# KiCad board s100_ColorMagic-1.0-001.kicad_pcb (continued)
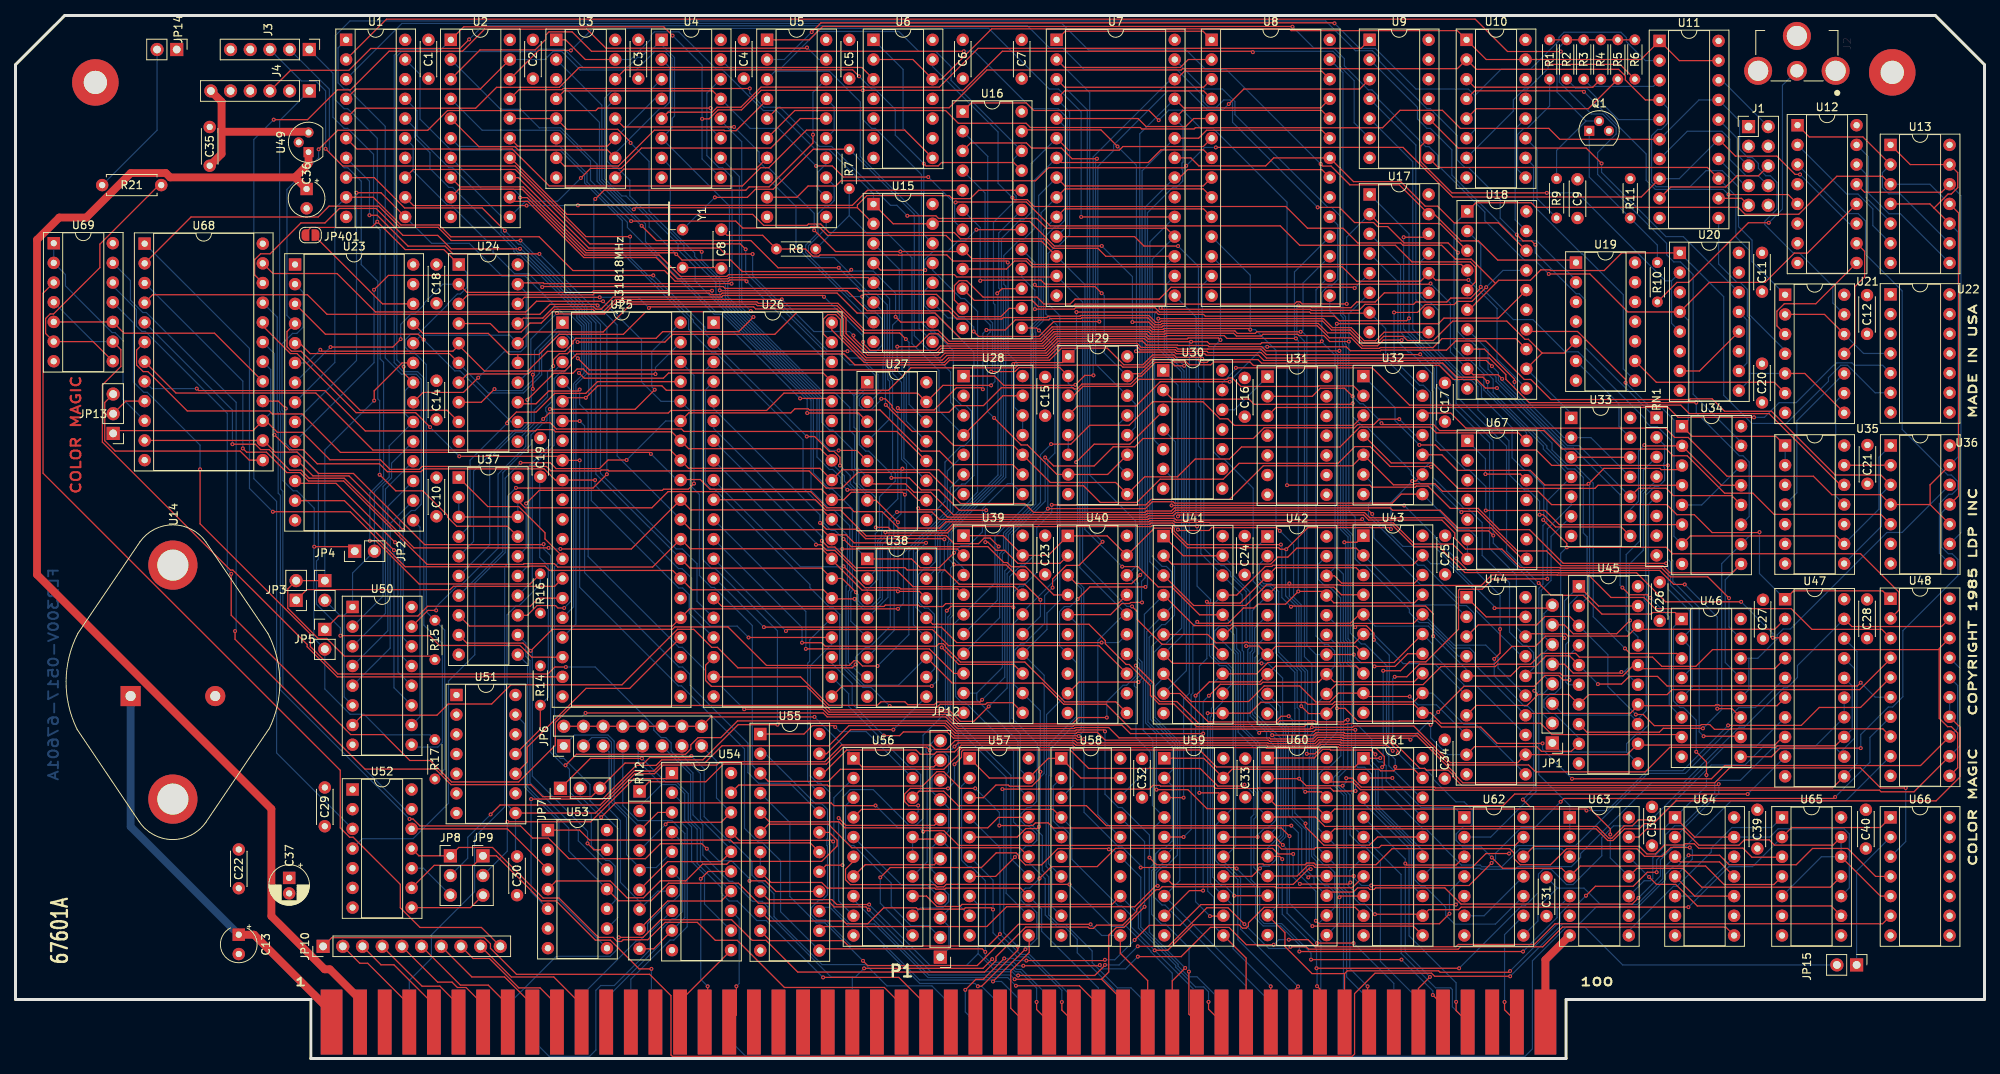
[diagram p0: board, top side]
## Routing (per net, layer and track width the routed paths; a pad name or vN(x,y) marks a point on that pad's centre or on a via; arc(x,y) is an arc through that point) (continued)
MA10: length 119.1
  Component w0.152: U8.21 168.51,114.73 151.2,114.73 150.17,113.7 U7.21 ; U40.5 141.26,57.29 142.69,58.72 143.72,58.72 143.86,58.86 v1(145.32,58.86)
  Copper w0.152: U7.21 145.72,109.88 145.72,62.05 145.26,61.59 145.26,58.92 v1(145.32,58.86) ; U40.5 137.2,55.85 137.2,43.67 133.65,40.12 133.65,36.45 133.56,36.36 133.56,29.92 U58.5
MA11: length 119.8
  Component w0.152: U40.3 136.83,61.3 143.98,61.3 v1(145.09,62.41) ; U8.23 168.51,119.81 153.66,119.81 152.63,118.78 U7.23
  Copper w0.152: U7.23 145.33,114.57 145.33,62.65 v1(145.09,62.41) ; U40.3 137.5,60.62 137.5,42.65 136.41,41.56 136.41,35.17 U58.3
MA12: length 124.2
  Component w0.152: U7.2 135.33,127.91 150.26,127.91 151.29,128.94 U8.2
  Copper w0.152: U58.18 142.52,33.82 146.4,37.7 146.4,39.52 144.53,41.39 144.53,47.89 144.34,48.09 144.34,48.74 145.02,49.42 145.02,50.96 144.52,51.46 144.52,61.23 U40.18 144.48,63.48 144.48,69.4 138.57,75.32 138.57,124.67 U7.2
MA13: length 145.6
  Component w0.152: v1(139.05,88.17) 137.94,88.17 v1(136.72,86.96) 136.65,86.88 127.48,86.88 126.29,88.08 U28.1 ; U8.26 168.51,127.43 150.8,127.43 149.77,126.4 U7.26
  Copper w0.152: U7.26 149.05,126.4 139.01,116.36 139.01,88.21 v1(139.05,88.17) ; v1(136.72,86.96) 137.3,86.38 137.3,63.36 U40.16 142.98,57.29 139.62,53.94 139.62,31.48 U58.16
MDO0: length 205.2
  Component w0.152: U59.18 155.2,34.29 v1(152.72,34.29) ; v1(159.29,94.07) 159.15,94.22 148.12,94.22 148,94.1 146.72,94.1 146.38,94.43 133.73,94.43 132.19,92.89 121.95,92.89 118.63,96.21 108.56,96.21 105.98,98.79 91.16,98.79 90.96,98.59 89.68,98.59 89.48,98.79 74.68,98.79 74.47,98.58 58.36,98.58 U24.3 ; U43.3 172.93,63.35 162.56,63.35 U42.3 157.99,58.78 153.86,58.78 v1(153.68,58.95)
  Copper w0.152: U42.3 162.61,63.4 162.61,91.4 159.94,94.07 v1(159.29,94.07) 159.29,101.09 U8.11 ; v1(153.68,58.95) 153.68,51.62 152.72,50.65 v1(152.72,34.29)
MDO1: length 204.9
  Component w0.152: v1(108.09,93.32) 108.09,93.05 110.05,91.09 118.87,91.09 119.43,91.66 132.68,91.66 134.23,93.21 145.77,93.21 146.11,92.88 151.16,92.88 151.28,93 155.18,93 v1(155.44,92.74) ; U42.4 162.57,60.83 170.07,60.83 171.04,59.86 U43.4 ; U24.4 61.25,94.86 62.33,93.77 65.22,93.77 66.37,94.92 67.81,94.92 69.57,96.69 74.48,96.69 74.76,96.4 75.83,96.4 77.41,97.98 v1(98.85,97.98) ; U59.16 v1(160.23,28.59)
  Copper w0.152: U8.12 155.44,102.4 v1(155.44,92.74) 154.56,91.86 154.56,78.3 155.48,77.37 155.89,77.37 159.66,73.61 159.66,61.6 U42.4 159.54,57.8 159.54,52.65 159.27,52.38 159.27,44.21 161.39,42.09 161.39,41.36 162.56,40.19 162.56,30.75 161.59,29.78 161.16,29.78 160.23,28.86 v1(160.23,28.59) ; v1(98.85,97.98) 103,93.83 107.58,93.83 v1(108.09,93.32)
MDO2: length 205.1
  Component w0.152: v1(160.53,24.54) 159.51,23.51 U59.14 ; U24.7 58.3,88.36 66.14,88.36 66.54,88.75 70.87,88.75 71.71,89.58 71.71,90.25 72.38,90.93 106.88,90.93 108.28,89.53 119.9,89.53 120.5,90.13 133.39,90.13 134.94,91.68 140.83,91.68 142.97,89.54 145.43,89.54 146.7,90.81 149.43,90.81 149.73,90.5 152.91,90.5 v1(153.08,90.33) ; v1(158.75,53.24) 160.41,53.24 U42.7 162.55,53.19 172.93,53.19 U43.7
  Copper w0.152: U8.13 153.08,99.78 v1(153.08,90.33) 153.29,90.12 153.29,65.85 155.52,63.62 155.91,63.62 156.75,62.78 156.75,62.28 158.75,60.28 v1(158.75,53.24) ; v1(160.53,24.54) 160.82,24.82 161.73,24.82 162.61,25.7 162.61,27.8 163.55,28.74 163.55,42.49 162.83,43.22 162.83,44.74 161.74,45.83 161.24,45.83 160.22,46.84 160.22,51.17 161.19,52.14 U42.7
MDO3: length 231.8
  Component w0.152: U43.8 172.94,50.64 162.55,50.64 U42.8 160.52,48.61 154.01,48.61 v1(152.23,46.83) ; v1(61.79,86.4) 60.09,84.7 U24.8 ; v1(170.78,91.34) 161.31,91.34 160.77,91.88 153.95,91.88 153.79,92.03 149.94,92.03 149.88,92.08 145.89,92.08 145.37,92.6 134.48,92.6 132.93,91.05 119.9,91.05 119.3,90.44 109.75,90.44 106.81,93.38 106.81,95.46 105.95,96.32 100.8,96.32 97.95,93.47 84.77,93.47 83.77,92.47 v1(72.51,92.47) ; U59.12 155.77,18.38 v1(154.08,18.38)
  Copper w0.152: v1(152.23,46.83) 152.23,20.24 v1(154.08,18.38) ; v1(61.79,86.4) 61.98,86.21 65.36,86.21 67.57,88.42 67.57,91.37 70.05,93.86 71.13,93.86 v1(72.51,92.47) ; U8.15 169.54,96.51 170.94,95.11 170.94,93.18 170.78,93.02 v1(170.78,91.34) 170.94,91.18 170.94,68.28 171.9,67.32 171.9,54.17 172.15,53.92 172.15,51.46 173.88,49.73 U43.8
MDO4: length 235.7
  Component w0.152: U24.13 65,84.5 67.14,84.5 68.79,86.15 72.58,86.15 v1(72.77,86.34) ; v1(153.95,46.82) 155.42,48.3 160.63,48.3 160.9,48.56 168.09,48.56 169.12,49.6 170.09,48.63 180.43,48.63 U43.13 ; v1(94,45.08) 104.15,45.08 104.83,44.4 120.13,44.4 121.63,42.9 136.45,42.9 136.58,43.02 142.73,43.02 143.82,41.93 v1(153.21,41.93) ; U59.9 151.44,21.67 v1(153.2,21.67)
  Copper w0.152: v1(72.77,86.34) 72.77,84.46 73.87,83.36 73.87,64.79 85.59,53.07 86.02,53.07 89.03,50.07 89.03,48.81 89.81,48.03 91.06,48.03 v1(94,45.08) ; v1(153.95,46.82) 153.21,46.09 v1(153.21,41.93) 153.21,21.69 v1(153.2,21.67) ; U8.16 167.76,99.22 167.76,54.53 168.88,53.41 169.36,53.41 170.16,52.61 170.16,50.63 169.12,49.6
MDO5: length 228.1
  Component w0.152: U43.14 179.58,52.24 177.95,50.61 v1(175.31,50.61) ; v1(165.79,93.8) 160.13,93.8 159.92,93.59 157.62,93.59 157.3,93.91 148.25,93.91 148.13,93.79 146.59,93.79 146.26,94.13 133.85,94.13 132.3,92.57 120.45,92.57 119.02,93.99 109.58,93.99 106.09,97.47 95.83,97.47 95.64,97.66 77.52,97.66 75.96,96.1 69.95,96.1 v1(69.84,96.21) ; v1(167.08,24.44) 166.79,24.44 164.81,22.47 149.24,22.47 U59.7 ; 169.12,52.14 v1(172.63,52.14)
  Copper w0.152: v1(165.79,93.8) 165.86,93.87 165.93,93.87 ; U8.17 166.09,100.09 166.09,94.03 165.93,93.87 ; 165.93,93.87 166.58,93.21 166.58,53.32 167.77,52.14 ; v1(175.31,50.61) 174.84,51.08 173.57,51.08 172.63,52.02 v1(172.63,52.14) ; 167.77,52.14 169.12,52.14 ; 167.77,52.14 167.77,42.5 167.07,41.8 167.07,39.12 166.89,38.94 166.89,24.64 v1(167.08,24.44) ; v1(69.84,96.21) 66.48,92.84 66.48,88.92 U24.14
MDO6: length 217.6
  Component w0.152: v1(109.35,92.49) 109.35,92.3 110.25,91.4 118.74,91.4 119.31,91.96 132.55,91.96 134.1,93.52 145.9,93.52 146.23,93.18 148.38,93.18 148.5,93.3 155.92,93.3 156.29,92.94 v1(165.17,92.94) ; v1(152.44,56.36) 152.63,56.18 156.44,56.18 158.42,58.15 159.75,58.15 160.24,58.64 163.84,58.64 v1(165.48,60.29) 168.6,60.29 170.07,58.82 180.46,58.82 U43.17 ; U59.5 v1(150.68,28.59) ; v1(104.3,98.31) 104.12,98.49 91.29,98.49 91.09,98.28 77.1,98.28 75.53,96.71 74.89,96.71 74.56,97.04 69.49,97.04 68.02,95.56 65.5,95.56 U24.17
  Copper w0.152: v1(109.35,92.49) 109.35,93.26 v1(104.3,98.31) ; U8.18 164.99,101.53 164.99,93.12 v1(165.17,92.94) 165.48,92.63 v1(165.48,60.29) ; v1(150.68,28.59) 151.66,29.57 151.66,46.94 151.88,47.17 151.88,55.8 v1(152.44,56.36)
MDO7: length 233.7
  Component w0.152: v1(168.51,92.58) 168.32,92.38 160.77,92.38 160.62,92.23 154.02,92.23 153.74,92.51 v1(151.65,92.51) 146.04,92.51 145.65,92.91 134.36,92.91 132.8,91.35 119.56,91.35 118.99,90.78 109.91,90.78 107.14,93.56 107.14,95.57 105.96,96.74 95.48,96.74 95.21,97.02 81.86,97.02 v1(81.71,96.87) ; U24.18 65.65,98.25 v1(75.36,98.25) ; 169.12,62.3 170.13,62.3 171.07,61.36 180.46,61.36 U43.18 ; U59.3 v1(150.68,33.67)
  Copper w0.152: 169.12,62.3 170.22,63.39 170.22,90.79 168.51,92.49 v1(168.51,92.58) 168.51,98.89 169.35,99.73 169.78,99.73 170.57,100.52 170.57,107.59 U8.19 ; v1(75.36,98.25) 80.33,98.25 v1(81.71,96.87) ; v1(150.68,33.67) 150.68,46.4 151.42,47.14 151.42,92.28 v1(151.65,92.51)
MDO8: length 264.8
  Component w0.152: U7.11 144.36,106.08 145.58,104.86 v1(149.97,104.86) ; v1(122.34,130) 74.31,130 71.8,132.51 68.81,132.51 68.38,132.08 68.38,131.52 67.03,130.17 59.92,130.17 U2.3 ; U60.3 162.59,32.64 191.9,32.64 193.39,34.13 v1(223.45,34.13)
  Copper w0.152: v1(149.97,104.86) 152.6,102.23 152.6,86.78 152.91,86.47 152.91,65.16 U41.18 158.25,59.82 158.25,52.69 158.42,52.52 158.42,42.71 160.5,40.64 160.5,34.75 161.53,33.72 U60.3 ; v1(223.45,34.13) U47.9 ; v1(122.34,130) 123.7,130 131.11,122.59 134.5,122.59 135.67,121.42 135.67,107.45 U7.11
MDO9: length 250.2
  Component w0.152: U7.12 132.37,105.47 120.8,105.47 120.04,106.23 104.76,106.23 103.59,107.39 102.63,107.39 102.42,107.18 93.81,107.18 92.91,108.08 v1(79.42,108.08) ; v1(210.98,30.8) 209.33,30.8 208.56,30.03 207.52,30.03 205.93,28.44 205.53,28.44 204.01,29.95 168.91,29.95 167.69,31.17 U60.4 ; U41.16 152.75,57.27 149.15,60.86 147.41,60.86 144.79,63.48 v1(142.76,63.48)
  Copper w0.152: U7.12 137.96,99.88 137.96,68.29 v1(142.76,63.48) ; U41.16 157.52,55.47 157.52,52.92 158.03,52.42 158.03,42.68 160.05,40.65 160.05,34.76 160.35,34.46 160.35,32.34 U60.4 ; U47.7 224.46,40.22 220.4,40.22 v1(210.98,30.8) ; v1(79.42,108.08) 74.17,113.33 74.17,115.84 70.21,119.81 60.2,119.81 U2.4
MDO10: length 265.6
  Component w0.152: v1(192.67,26.45) 189.68,26.45 187.9,24.67 167.62,24.67 167.36,24.93 166.7,24.93 165.33,23.55 U60.7 ; U41.14 154.45,53.46 147.9,53.46 144.71,56.65 144.71,57.67 v1(144.04,58.35) ; U7.13 134.17,100.87 121.43,100.87 121.13,101.17 91.98,101.17 91.75,100.94 85.8,100.94 83.06,103.69 73.44,103.69 66.01,111.12 v1(65.1,111.12)
  Copper w0.152: U60.7 160.84,23.55 159.74,24.65 159.74,30.9 160.05,31.21 160.05,34.34 159.74,34.64 159.74,40.1 157.72,42.12 157.72,52.29 157.22,52.79 157.22,54.69 156.1,55.81 155.31,55.81 154.69,55.19 154.69,53.22 U41.14 ; v1(65.1,111.12) 65.1,111.36 64.24,112.22 60.17,112.22 U2.7 ; v1(192.67,26.45) 193.7,27.49 201.25,27.49 210.56,36.79 215.4,36.79 221.48,42.87 221.48,44.47 222.31,45.3 224.46,45.3 U47.5 ; U7.13 137.65,97.65 137.65,64.07 143.37,58.35 v1(144.04,58.35)
MDO11: length 294.8
  Component w0.152: v1(88.52,104.12) 88.34,104.3 73.69,104.3 65.49,112.5 57.35,112.5 U2.8 ; U60.8 v1(157.2,21.01) ; v1(226.7,54.31) 228.17,54.31 U47.3 ; v1(222.61,58.94) 212.87,58.94 209.12,62.69 199.02,62.69 198.99,62.72 186.97,62.72 183.65,66.04 180.41,66.04 177.62,68.83 152.57,68.83 v1(152.42,68.68) 152.35,68.75 149.63,68.75 149.27,69.11 146.48,69.11 146.34,68.96 120.9,68.96 120.08,68.14 113,68.14 112.59,68.56 v1(110.97,68.56)
  Copper w0.152: v1(226.7,54.31) 226.7,54.85 v1(222.61,58.94) ; v1(110.97,68.56) 110.97,72.4 110.2,73.17 109.78,73.17 108.81,74.14 108.81,75.65 108.24,76.22 108.24,80.46 107.63,81.07 107.63,84.02 105.69,85.96 103.8,85.96 91.58,98.18 91.58,100 88.52,103.05 v1(88.52,104.12) ; U7.15 152.3,95.7 152.3,68.81 v1(152.42,68.68) 152.42,60.98 154.17,59.23 154.17,58.75 154.01,58.6 154.01,52.01 155.31,50.71 156.14,50.71 156.75,50.1 156.75,48.14 U41.12 155.72,46.03 154.65,44.95 154.65,43.92 154.43,43.7 154.43,23.42 155.61,22.24 156.07,22.24 157.2,21.12 v1(157.2,21.01)
MDO12: length 295.2
  Component w0.152: v1(111.69,85.15) 112.2,85.15 113.08,84.27 113.08,84 113.68,83.4 120.4,83.4 121.27,84.27 124.86,84.27 127.17,86.58 136.42,86.58 136.57,86.42 136.95,86.42 137.58,87.05 143.85,87.05 144.88,88.08 145.27,88.08 147.03,89.84 149.1,89.84 149.53,89.41 v1(150.76,89.41) ; v1(95.09,103.83) 91.56,103.83 90.79,104.6 73.96,104.6 64.86,113.7 U2.13 ; U41.9 150.21,47.11 153.88,43.44 162.51,43.44 163.25,44.18 v1(164.25,44.18) ; v1(209.35,20.73) 208.55,19.93 186.47,19.93 184.38,22.02 175.45,22.02 175.25,21.82 174.71,21.82 174.51,22.02 173.12,22.02 172.58,21.48 169.62,21.48 U60.13
  Copper w0.152: U41.9 151.05,50.06 151.05,89.12 v1(150.76,89.41) 148.51,91.66 148.51,99.97 U7.16 ; v1(164.25,44.18) 164.73,43.69 164.73,31.29 166.51,29.51 166.51,24.33 167.51,23.34 167.51,22.65 U60.13 ; v1(95.09,103.83) 95.09,101.05 104.78,91.37 106.4,91.37 107.35,90.42 109.11,90.42 111.26,88.27 111.26,86.27 110.77,85.79 109.47,85.79 108.85,85.17 108.85,84.28 109.47,83.66 110.3,83.66 111.69,85.04 v1(111.69,85.15) ; U48.9 236.1,33.24 221.3,33.24 215.36,27.3 213.86,27.3 212.19,25.63 212.19,23.57 v1(209.35,20.73)
MDO13: length 276.1
  Component w0.152: U41.7 149.29,51 v1(160.74,51) ; U2.14 63.85,116.24 71.14,108.95 95.09,108.95 96.51,107.53 102.12,107.53 102.29,107.7 103.87,107.7 104.97,106.61 121.1,106.61 121.9,105.8 132.64,105.8 133.88,104.57 139.62,104.57 140.65,103.54 U7.17 ; v1(172.64,23.55) U60.14 166.94,23.55 v1(166.77,23.38) ; v1(199.32,33.13) 199.75,33.56 234.54,33.56 v1(234.73,33.75) ; v1(174.89,22.33) 187.51,22.33 v1(190.42,25.24)
  Copper w0.152: v1(190.42,25.24) 190.93,25.75 190.93,26.5 194.24,29.81 196,29.81 v1(199.32,33.13) ; U48.7 239.23,41.45 239.23,38.24 v1(234.73,33.75) ; v1(172.64,23.55) 172.64,23.31 173.63,22.33 v1(174.89,22.33) ; U41.7 150.74,54.83 150.74,88.75 148.2,91.29 148.2,102.2 U7.17 ; v1(166.77,23.38) 165.92,24.23 165.92,29.67 164.2,31.38 164.2,42.7 163.46,43.45 163.46,49.1 161.56,51 v1(160.74,51)
MDO14: length 274.3
  Component w0.152: v1(115.05,108.77) 118.73,108.77 119.07,108.42 131.73,108.42 132.99,107.16 148.46,107.16 U7.18 ; v1(202.66,32) 202.46,32.2 170.17,32.2 U60.17 168.08,32.24 153.7,32.24 151.24,34.7 v1(147.18,34.7) ; U48.5 238.01,45.31 232.68,45.31 230.37,43 v1(220.92,43) ; U2.17 64.95,125.04 70.5,125.04 70.66,125.2 v1(94.72,125.2)
  Copper w0.152: U7.18 146.63,103.17 146.63,64.79 147.92,63.51 148.47,63.51 149.15,62.83 149.15,58.32 U41.5 145.93,55.1 145.93,48.72 145.78,48.57 145.78,43.31 147.17,41.92 147.17,34.71 v1(147.18,34.7) ; v1(94.72,125.2) 94.72,124.61 96.53,122.79 98.63,122.79 103.69,117.73 105.27,117.73 112.87,110.12 113.69,110.12 v1(115.05,108.77) ; v1(202.66,32) 205.33,32 210.48,37.15 215.08,37.15 v1(220.92,43)
MDO15: length 286.5
  Component w0.152: 164.33,61.13 170.87,61.13 170.95,61.05 189.09,61.05 190.45,62.41 198.87,62.41 198.89,62.39 202.94,62.39 205.82,59.51 210.06,59.51 211.5,58.07 229.06,58.07 231.74,55.38 240.76,55.38 U48.3 ; 164.33,61.13 v1(164.33,61.32) ; 164.33,61.13 161.38,61.13 158.71,58.47 151.98,58.47 U41.3 ; U7.19 v1(137.47,108.62) ; v1(166.37,34.42) 168.43,34.42 U60.18 ; v1(71.65,130.11) 67.48,130.11 U2.18
  Copper w0.152: v1(166.37,34.42) 166.09,34.7 166.09,39.52 166.36,39.79 166.36,49.9 165.55,50.7 165.55,58.44 164.33,59.66 v1(164.33,61.32) ; v1(71.65,130.11) 74.49,132.96 125.53,132.96 133.36,125.13 134.54,125.13 137.47,122.2 v1(137.47,108.62) ; U41.3 146.33,64.12 146.33,105.41 U7.19
MEMCS: length 318.5
  Component w0.152: v1(144.52,50.71) 146.82,48.41 146.82,46.89 147.64,46.07 149.81,46.07 152.75,43.13 162.64,43.13 163.1,43.6 167.61,43.6 167.76,43.45 171.29,43.45 171.56,43.72 v1(171.86,43.72) ; U66.1 240.57,29.81 229.11,29.81 U65.2 ; v1(140.78,44.01) 137.13,44.01 136.32,43.2 121.76,43.2 120.26,44.7 104.96,44.7 104.09,45.56 71.83,45.56 69.64,43.38 69.64,40.43 64.91,35.7 56.25,35.7 53.49,38.46 50.87,38.46 47.53,41.81 43.23,41.81 27.83,57.21 v1(27.83,62.56) ; v1(215.8,19.54) 186.49,19.54 186.17,19.21 182.3,19.21 U61.12 181.33,18.62 v1(175.37,18.62)
  Copper w0.152: U69.12 12.55,99.73 15.59,96.68 15.59,94.55 16.29,93.85 16.75,93.85 27.32,83.28 27.32,63.07 v1(27.83,62.56) ; v1(171.86,43.72) 171.86,37.51 170.7,36.35 170.7,35.03 171.7,34.03 171.7,22.53 172.72,21.51 172.72,20.67 173.45,19.94 174.04,19.94 v1(175.37,18.62) ; v1(144.52,50.71) 144.52,49.36 143.34,48.18 142.87,48.18 140.78,46.08 v1(140.78,44.01) ; U65.2 224.07,24.77 221.04,24.77 v1(215.8,19.54)
MUX_G: length 20.6
  Component w0.152: U3.9 78.46,114.79 95.5,114.79 U5.7
MUX_I: length 48.9
  Copper w0.152: U15.9 116.56,94.24 116.56,108.83 108.98,116.42 108.98,123.45 105,127.43 97.98,127.43 U5.3
MUX_R: length 31.3
  Component w0.152: U5.4 96.95,123.75 92.95,119.75 91.45,119.75 91.39,119.81 82.4,119.81 77.78,115.19 70.8,115.19 U3.7
MUXA: length 71.4
  Component w0.152: U16.21 128.76,115.64 119.46,115.64 119.02,115.21 117.46,115.21 v1(117.17,115.5) ; U3.14 78.58,127.61 107.99,127.61 v1(108.82,126.78)
  Copper w0.152: U15.14 117.17,106.33 v1(117.17,115.5) 113.49,119.18 113.49,122.51 110.87,125.13 110.47,125.13 v1(108.82,126.78)
MUXB: length 78.1
  Component w0.152: 108.61,109.81 108.61,110.16 109.83,111.38 120.45,111.38 120.84,110.99 123.17,110.99 124.24,112.06 U16.20 ; 108.61,109.81 79.97,109.81 v1(79.76,109.6) ; 108.61,109.81 U15.2
  Copper w0.152: v1(79.76,109.6) 79.51,109.6 75.64,113.48 75.64,123.05 U3.2
MUXBLUE: length 24.5
  Copper w0.152: U5.8 100.68,109.97 100.68,104.81 110.45,95.04 U15.7
NEW_RESET: length 175.7
  Component w0.152: v1(33.31,121.18) 37.67,121.18 41.52,125.02 43.21,125.02 48.2,130.01 57.68,130.01 60.51,132.85 73.71,132.85 76.17,130.4 102.01,130.4 v1(102.1,130.49)
  Copper w0.152: U5.19 103.65,128.94 v1(102.1,130.49) ; v1(33.31,121.18) 30.74,118.61 30.74,74.84 33.68,71.91 33.68,39.44 U52.3
OVERSCAN_B: length 46.9
  Copper w0.152: U15.3 114.01,101.87 114.01,95.53 113.14,94.65 113.14,90.06 112.83,89.76 112.83,87.76 113.14,87.46 113.14,75.89 113.49,75.54 113.49,74.52 111.45,72.49 111.45,68.29 110.92,67.75 110.92,62.98 U38.2
OVERSCAN_G: length 84.5
  Copper w0.152: U3.13 76.3,122.79 76.3,115.82 77.15,114.97 77.62,114.97 79.25,113.34 79.25,111.33 85.47,105.11 85.47,104.4 87.68,102.19 87.68,100.36 102.92,85.11 102.92,75.58 105.01,73.5 105.39,73.5 107.95,70.93 107.95,60.39 107.76,60.19 107.76,56.44 U38.5
OVERSCAN_I: length 61.2
  Copper w0.152: U15.13 118.3,101.75 121.96,98.09 122.43,98.09 124.1,96.42 124.1,73.1 118.65,67.65 118.65,64.1 117.73,63.18 117.18,63.18 116.46,62.46 116.46,58.94 117.27,58.13 117.74,58.13 118.54,57.33 118.54,50.28 U38.10
OVERSCAN_R: length 95.2
  Copper w0.152: U3.3 75.33,120.82 75.33,113.35 80.66,108.02 80.98,108.02 81.27,107.74 81.27,105.43 90.33,96.36 91.24,96.36 102.62,84.98 102.62,73.32 105.09,70.85 105.53,70.85 107.62,68.76 107.62,60.49 107.44,60.31 107.44,51.11 109.31,49.24 U38.7
PD0: length 310.4
  Component w0.152: v1(23.38,86.46) 23.63,86.21 39.91,86.21 45.12,81 67.08,81 67.24,81.17 69.38,81.17 69.66,80.89 84.65,80.89 U25.34 86.83,78.71 103.79,78.71 U26.33 ; v1(124.79,86.38) 124.6,86.58 121.37,86.58 118.5,83.71 114.06,83.71 v1(113.81,83.96) ; U47.2 226.94,55.4 209.76,55.4 U45.18 207.96,54.52 200.27,54.52 199.97,54.82 195.17,54.82 U44.18 ; v1(178.81,92.73) 176.44,92.73 175.7,91.99 173.77,91.99 172.1,93.66 169.27,93.66 168.06,94.87 147.91,94.87 147.75,94.71 146.97,94.71 146.08,95.6 137.54,95.6 137.44,95.5 133.47,95.5 133.3,95.33 128.97,95.33 127.67,94.03 v1(125.25,94.03)
  Copper w0.152: 179.25,93.16 179.62,93.16 183.32,89.46 183.32,86.76 184.85,85.23 184.85,84.73 190.15,79.43 190.15,65.84 193.61,62.37 193.61,55.65 U44.18 ; 179.25,93.16 v1(178.81,92.73) ; 179.25,93.16 178.67,93.74 178.67,102.45 U17.3 ; U68.8 17.59,86.46 v1(23.38,86.46) ; U26.33 105.3,76.81 106.92,75.19 106.92,74.52 108.48,72.96 108.48,61.84 109.86,60.46 ; 109.86,60.46 111.22,61.82 111.22,66.85 111.73,67.35 111.73,68.13 111.82,68.23 111.82,70.24 113.81,72.23 v1(113.81,83.96) ; 109.86,60.46 109.88,60.43 U38.3 ; v1(124.79,86.38) 124.79,93.58 v1(125.25,94.03)
PD1: length 299.8
  Component w0.152: 114.42,75.99 v1(114.42,76.14) ; 114.42,75.99 119.1,75.99 121.17,73.92 137.78,73.92 139.94,71.77 144.65,71.77 147.65,74.77 155.79,74.77 157.84,76.82 170.61,76.82 172.78,78.98 174.76,78.98 177.33,76.41 182.58,76.41 v1(182.61,76.38) ; 114.42,75.99 106.63,75.99 U26.32 103.79,76.17 86.83,76.17 U25.33 84.47,78.53 46.11,78.53 38.75,85.89 20.7,85.89 U68.7 ; U47.4 226.93,50.31 209.61,50.31 209.3,50.62 ; 209.3,50.62 208.58,50.62 207.36,49.39 199.6,49.39 199.25,49.74 195.16,49.74 U44.16 ; 209.3,50.62 U45.16
  Copper w0.152: v1(114.42,76.14) 114.23,75.95 114.23,70.3 113.3,69.37 113.3,67.17 112.55,66.42 112.55,59.53 U38.4 ; 182.88,76.38 v1(182.61,76.38) ; 182.88,76.38 182.88,74.98 186.87,71 187.37,71 189.2,69.17 189.2,64.95 192.73,61.42 192.73,55.03 194.44,53.32 194.9,53.32 195.84,52.38 195.84,50.42 U44.16 ; 182.88,76.38 182.88,86.05 182.71,86.22 182.71,88.42 179.95,91.18 179.67,91.18 178.33,92.52 178.33,100.25 U17.4
PD2: length 316.3
  Component w0.152: U44.14 195.04,44.54 208.3,44.54 209.3,45.54 ; U45.14 209.3,45.54 ; 209.3,45.54 219.23,45.54 219.32,45.63 219.72,45.63 219.82,45.54 227.24,45.54 U47.6 ; v1(172,92.54) 169.53,92.54 168.75,93.31 165.58,93.31 165.42,93.47 160.92,93.47 160.7,93.25 157.5,93.25 157.14,93.61 148.37,93.61 148.26,93.49 146.46,93.49 146.13,93.82 133.98,93.82 132.42,92.27 120.29,92.27 119.02,93.54 117.88,93.54 116.22,91.88 v1(113.75,91.88) ; U68.6 15.62,91.43 15.62,89.51 16.47,88.66 17.08,88.66 22.16,83.58 32.74,83.58 33.12,83.2 36.95,83.2 41.92,78.23 81.77,78.23 v1(81.97,78.04) ; v1(114.73,72.78) 114.43,73.07 107.8,73.07 106.85,72.12 U26.31 103.95,73.47 89.6,73.47 88.34,74.73 85.87,74.73 U25.32
  Copper w0.152: v1(81.97,78.04) 85.34,74.66 U25.32 ; U44.14 188.23,50.87 188.23,52.33 187.59,52.97 185.54,52.97 182.25,56.27 181.1,56.27 179.81,57.56 179.81,57.97 174.11,63.67 173.64,63.67 172.82,64.49 172.82,69.88 172,70.7 v1(172,92.54) 172,96.14 U17.6 ; U38.6 113.35,55.25 113.35,65.98 114.73,67.36 v1(114.73,72.78) 114.94,72.99 114.94,76.7 114.3,77.35 114.3,87.26 113.14,88.42 113.14,89.2 113.75,89.81 v1(113.75,91.88)
PD3: length 331.1
  Component w0.152: v1(27.98,79.29) 30.93,79.29 31.63,78.59 32.73,78.59 35.38,75.93 36.86,75.93 37.89,74.9 42.41,74.9 51.4,65.91 v1(68.77,65.91) ; U38.11 120.83,48.45 132.49,48.45 135.22,45.72 140.7,45.72 143.9,42.52 167,42.52 v1(167.23,42.75) 172.48,42.75 172.64,42.91 180.38,42.91 185.1,38.19 193.77,38.19 U44.12 207.9,39.22 U45.12 209.46,40.46 226.94,40.46 227.98,41.5 U47.8 ; U26.30 104.07,70.81 87.11,70.81 U25.31 79.45,65.77 v1(70.29,65.77) ; v1(165.49,97.19) 165.67,97.01 167.14,97.01 167.24,96.91 172.27,96.91 173.01,97.64 175.4,97.64 176.58,98.82 U17.11
  Copper w0.152: U68.5 27.98,83.69 v1(27.98,79.29) ; U26.30 107.31,67.57 107.31,61.14 107.14,60.96 107.14,50.49 109.43,48.19 113.91,48.19 U38.11 ; v1(68.77,65.91) 68.9,65.77 v1(70.29,65.77) ; v1(167.23,42.75) 167.23,50.91 166.28,51.87 166.28,92.56 165.29,93.55 165.29,96.99 v1(165.49,97.19)
PD4: length 357.3
  Component w0.152: v1(197.08,69.51) 200.12,66.47 v1(200.12,65.98) 212.93,65.98 213.76,65.15 238.01,65.15 242.97,60.19 242.97,57.89 U48.2 ; v1(182.55,43.07) 182.4,43.23 171.69,43.23 171.61,43.14 167.52,43.14 167.38,43.29 166.71,43.29 166.25,42.83 152.37,42.83 149.44,45.76 147.52,45.76 146.4,46.87 146.4,48.13 143.68,50.86 143.27,50.86 140.59,53.54 140.59,53.94 138.48,56.05 118.31,56.05 U38.13 ; U44.9 188.22,40.26 196.23,40.26 196.84,39.65 200.71,39.65 U45.9 ; v1(117.45,66.56) 108.17,66.56 107.15,67.58 105.84,67.58 U26.29 104.09,68.25 87.13,68.25 U25.30 ; v1(75.09,97.19) 74.94,97.34 68.93,97.34 67.64,96.05 40.18,96.05 37.65,98.58 17.69,98.58 U68.4
  Copper w0.152: v1(117.45,66.56) 116.16,65.27 116.16,58.2 U38.13 ; U17.13 181.24,102.84 181.24,98.41 182.1,97.55 182.57,97.55 183.57,96.55 183.57,91.27 186.95,87.88 187.99,87.88 189.11,86.76 189.11,85.36 193.06,81.42 193.06,77.53 194.68,75.91 195.15,75.91 197.14,73.92 197.14,69.58 v1(197.08,69.51) ; U45.9 201.68,41.37 198.51,44.54 197.98,44.54 197.16,45.36 197.16,46.29 197.96,47.08 198.56,47.08 199.33,47.85 199.33,65.19 v1(200.12,65.98) ; U44.9 184.74,39.22 182.55,41.4 v1(182.55,43.07) ; U25.30 77.61,77.77 77.61,94.67 v1(75.09,97.19)
PD5: length 342.6
  Component w0.152: U44.7 188.45,45.57 194.99,45.57 196.4,46.98 ; U38.14 116.61,60.29 v1(113.83,60.29) 113.67,60.45 109.21,60.45 105.3,64.36 U26.28 104.01,65.79 87.05,65.79 U25.29 82.19,63.43 69.95,63.43 69.52,63.87 65.6,63.87 65.51,63.78 53.1,63.78 42.33,74.54 37.79,74.54 36.71,75.63 35,75.63 32.36,78.26 29.81,78.26 v1(29.32,78.75) ; v1(179.07,106) 181.86,106 U17.14 ; 196.4,46.98 v1(195.92,47.46) ; 196.4,46.98 200.4,46.98 U45.7 202.95,46.97 213.06,46.97 213.71,47.62 237.9,47.62 241.88,51.59 U48.4 ; v1(116.45,71.02) 116.63,70.84 119.27,70.84 120.23,69.88 145.96,69.88 146.14,70.05 149.35,70.05 149.75,70.46 174.03,70.46 174.69,69.8 184.3,69.8 186,68.1 190.04,68.1 v1(190.64,67.5)
  Copper w0.152: v1(116.45,71.02) 116.45,68.59 113.83,65.98 v1(113.83,60.29) ; v1(195.92,47.46) 196.14,47.68 196.14,61.01 190.64,66.52 v1(190.64,67.5) 190.64,79.75 185.83,84.55 185.83,87.39 179.07,94.16 v1(179.07,106) ; v1(29.32,78.75) 29.32,87.43 U68.3
PD6: length 290
  Component w0.152: U68.2 22.64,108.61 39.04,108.61 40.45,110.02 46.86,110.02 49.6,107.28 54.51,107.28 56.21,105.58 v1(65.14,105.58) ; U44.5 192.87,49.38 194.08,50.59 196.06,50.59 197.45,51.97 200.49,51.97 U45.5 ; U25.28 87.01,63.29 103.97,63.29 U26.27 106.65,61.96 v1(108.43,60.18) ; v1(112.21,67.93) 112.3,67.84 120.21,67.84 121.02,68.66 146.46,68.66 146.6,68.8 149.12,68.8 149.47,68.45 149.47,68.07 151.21,66.33 v1(163.23,66.33) ; v1(182.88,54.51) 182.88,57.43 181.91,58.39 164.62,58.39 v1(164.54,58.31) ; v1(204.13,48.33) 207.17,48.33 208.16,49.32 211.82,49.32 213.05,48.08 237.6,48.08 v1(238.03,48.51)
  Copper w0.152: v1(238.03,48.51) 239.9,46.64 U48.6 ; v1(163.23,66.33) 163.36,66.2 163.36,59.49 v1(164.54,58.31) ; U45.5 v1(204.13,48.33) ; v1(65.14,105.58) 73.69,97.03 73.69,96.09 74.87,94.92 74.87,75.43 U25.28 ; v1(112.21,67.93) 112.21,67.4 111.53,66.72 111.53,59.51 110.33,58.31 109.47,58.31 108.72,59.06 108.72,59.89 v1(108.43,60.18) ; U44.5 187.18,50.21 v1(182.88,54.51)
PD7: length 286.9
  Component w0.152: U48.8 240.89,42.55 221.23,42.55 221.17,42.48 219.17,42.48 218.55,43.1 217.48,43.1 217.34,42.97 211.41,42.97 209.97,44.4 v1(209.02,44.4) ; U45.3 200.49,57.05 197.32,57.05 196.24,55.97 188.69,55.97 U44.3 ; v1(113.71,70.53) 118.22,70.53 119.18,69.57 146.09,69.57 146.23,69.72 149.53,69.72 149.75,69.49 173.6,69.49 v1(173.73,69.62) ; v1(108.24,59.32) 105.4,59.32 U26.26 104.23,60.49 87.27,60.49 U25.27 84.77,62.99 68.87,62.99 68.31,63.55 66.32,63.55 66.24,63.47 50.27,63.47 43.17,70.57 v1(33.2,70.57)